# Altium PCB RockerBox_Rev01.PcbDoc (part 3 of 8)
Units mil, origin at the board's own origin, x right, y up, seen from the top; angles counter-clockwise.
Board outline 5354.33 x 8818.9 mil, 4 copper layers (L1, L2, L3, L4), stack 62.087 mil thick; 579 components, 159 nets, 3624 pads, 3252 vias.
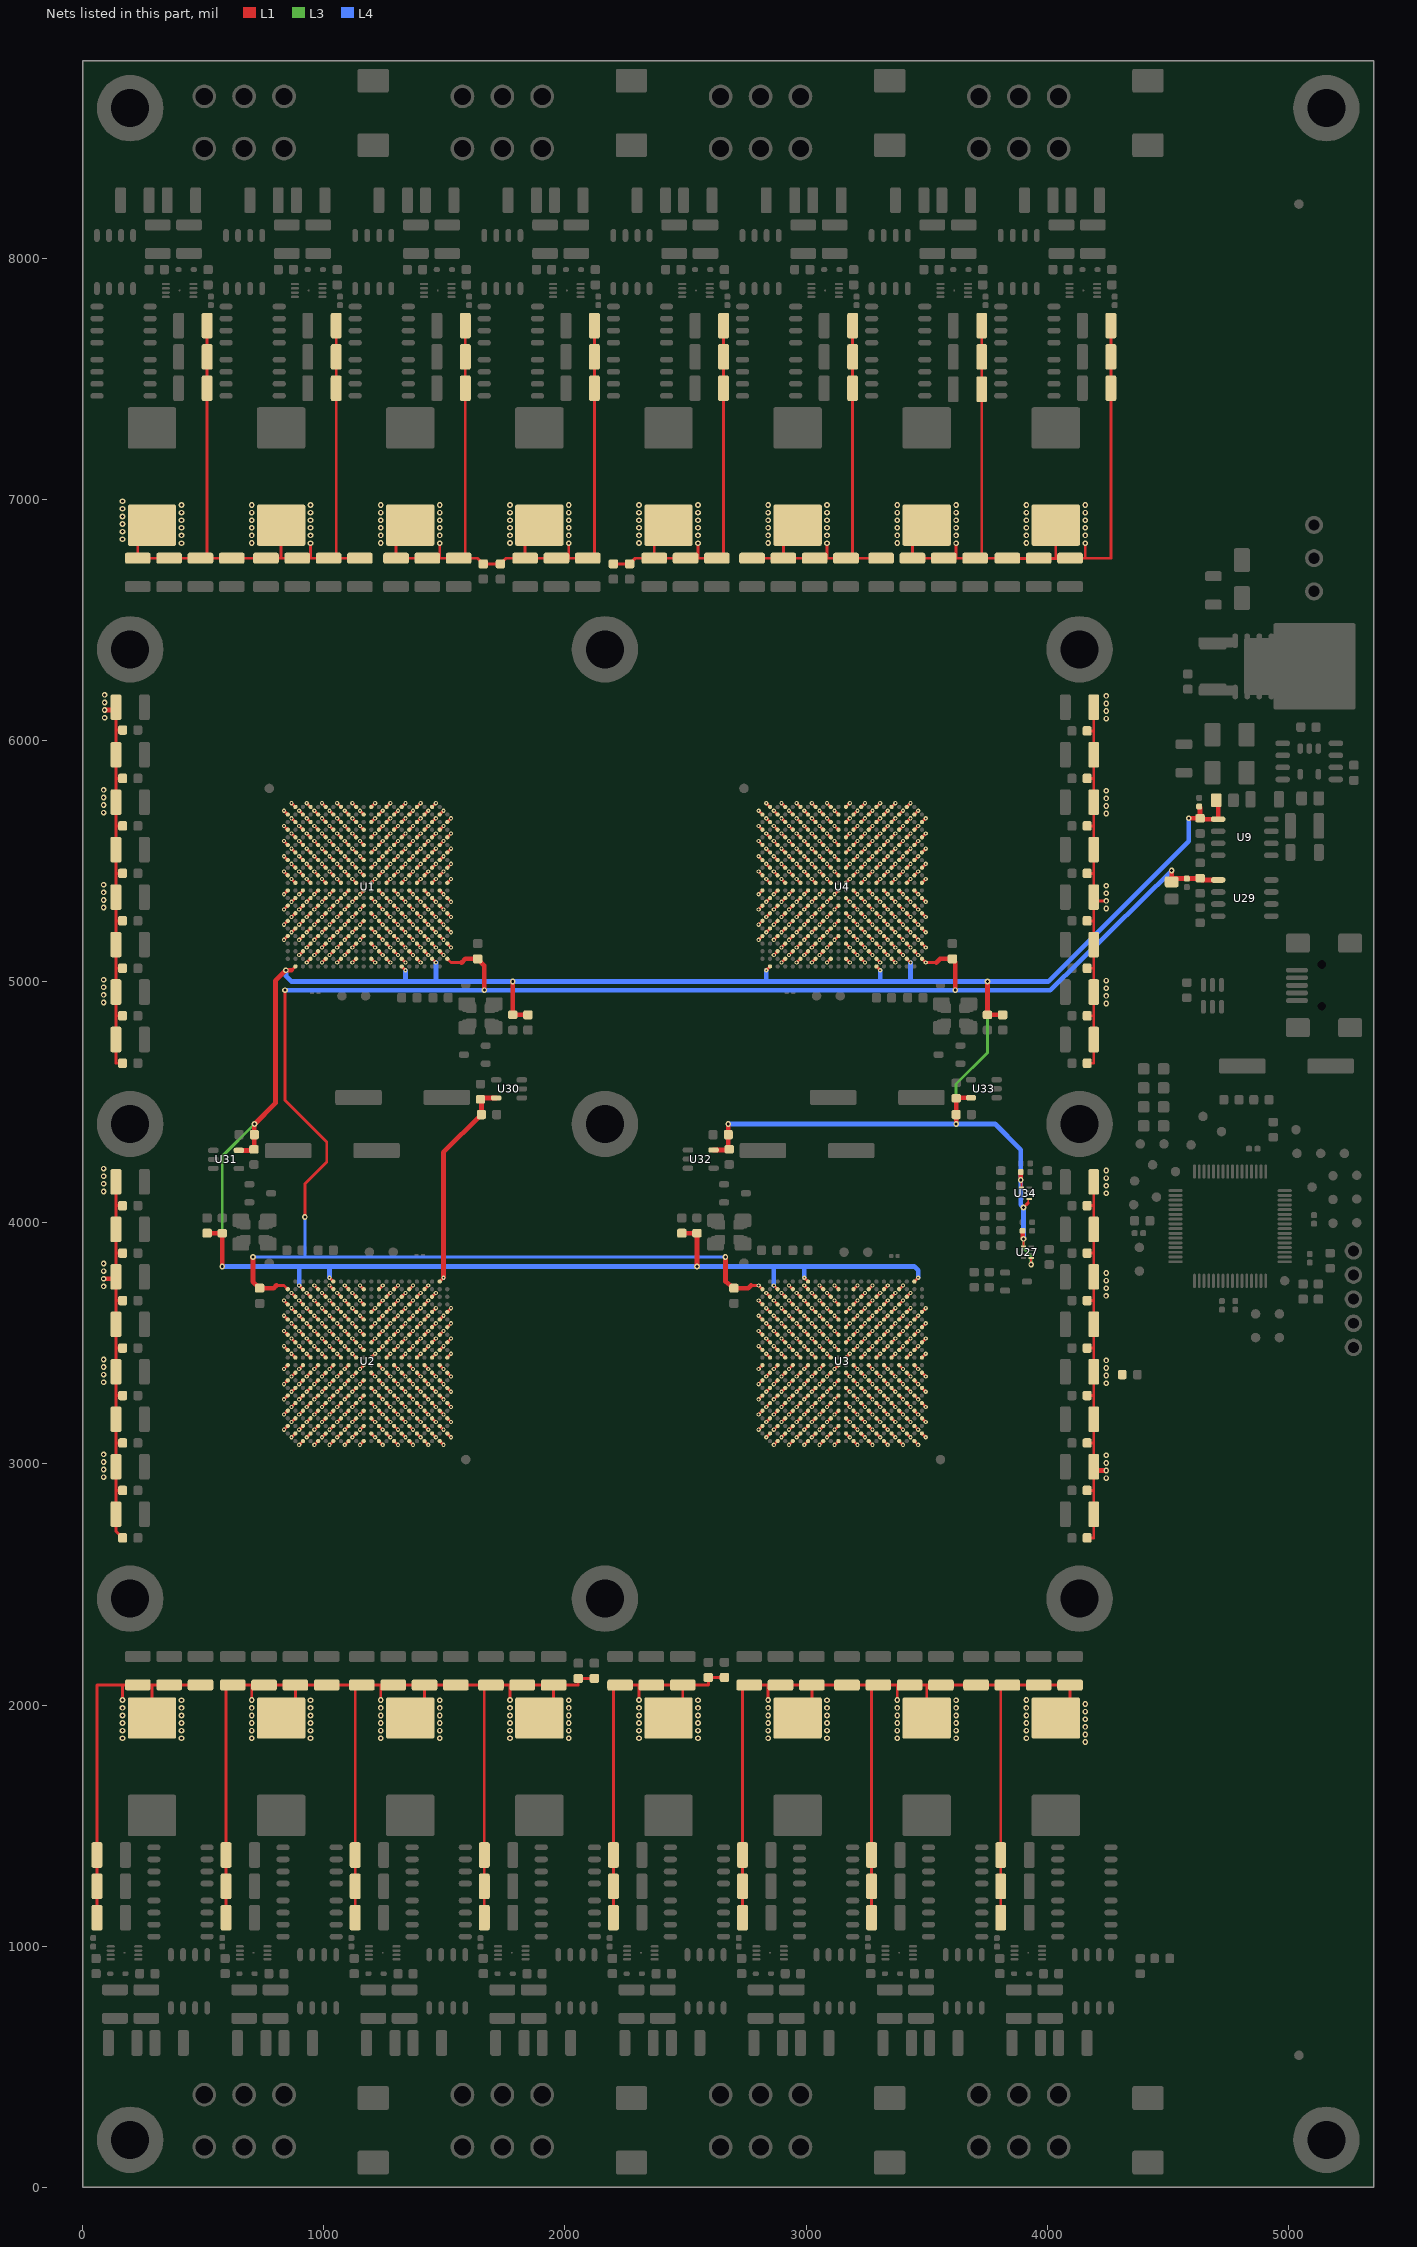
[diagram p5: the nets of this part, all layers, seen from the top]

## Via types
v1: diameter 17.72/17.72/17.72/17.72 (per signal layer), hole 7.87, L1 to L4, 1853 vias
v2: diameter 23.62/23.62/23.62/23.62 (per signal layer), hole 11.81, L1 to L4, 1399 vias

## Nets (pads, with @x,y where several pads share a name; then routed paths per layer and width w, separated by ;. In a path a pad name is that pad's centre, name@x,y a point inside that pad or via, vN(x,y) a via of type N, cw(c..) or ccw(c..) an arc to the next point about the centre after c; other vN are vias at no path point)
0.9V: C231.1 C232.1 C233.2 C234.2 C235.2 C237.2 R27.1 U1.A21 U2.A21 U3.A21 U4.A21 U29.1 | length 8408.6
  L1 w11.81: 803.15,3740.16 834.65,3740.16 U2.A21@850.39,3724.41 ; v2(838.58,4964.57) 838.58,4507.87 1011.81,4334.65 1011.81,4251.97 921.26,4161.42 v2(921.26,4023.62) ; U1.A21@1511.81,5094.49 1527.56,5078.74 1571.06,5078.74 ; 2771.65,3740.16 v1(2803.15,3740.16) U3.A21@2818.9,3724.41 ; U4.A21@3480.31,5094.49 v1(3496.06,5078.74) 3539.57,5078.74
  L1 w19.68: v2(705.92,3858.28) 705.92,3756.12 C234.2@733.68,3728.36 791.36,3728.36 803.15,3740.16 ; 1571.06,5078.74 1586.81,5094.49 C233.2@1637.8,5094.49 1665.55,5066.73 v2(1665.55,4964.57) ; v2(2665.16,3858.28) 2665.16,3756.12 C235.2@2700.79,3728.36 2759.86,3728.36 2771.65,3740.16 ; 3539.57,5078.74 3555.31,5094.49 C237.2@3606.3,5094.49 3618.11,5082.68 3618.31,5082.68 v2(3618.31,4964.57) ; v2(4515.75,5460.63) C231.1@4515.75,5413.39 4529.53,5427.17 C232.1@4578.74,5427.17 R27.1@4635.83,5427.17 ; R27.1@4633.86,5429.13 R27.1@4635.83,5427.17 ; U29.1@4708.66,5421.46 4641.54,5421.46 R27.1@4636.91,5426.08 ; R27.1@4635.83,5427.17 R27.1@4636.91,5426.08 ; R27.1@4635.83,5427.17 R27.1@4636.91,5426.08
  L4 w11.81: v2(705.92,3858.28) 921.26,3858.28 ; v2(921.26,4023.62) 921.26,3858.28 ; v2(2665.16,3858.28) 921.26,3858.28
  L4 w19.68: v2(838.58,4964.57) v2(1665.55,4964.57) v2(3618.31,4964.57) 4011.81,4964.57 v2(4515.75,5460.63)
1.8V: C16.1 C17.1 C18.2 C227.2 C228.2 C229.2 C230.2 C238.2 C239.2 C240.2 C241.2 C250.2 R16.1 R25.1 R26.1 R30.1 R31.1 R37.1 R39.1 R41.1 R43.1 U1.AA22 U1.C21 U1.G22 U2.AA22 U2.C21 U2.G22 U3.AA22 U3.C21 U3.G22 U4.AA22 U4.C21 U4.G22 U9.1 U27.1 U27.5 U30.5 U31.5 U32.5 U33.5 U34.1 U34.5 | length 14331.6
  L1 w7.87: v2(3889.76,4177.17) 3893.7,4181.1 U34.1@3893.7,4145.67 ; v2(3901.57,3933.07) 3901.77,3929.13 U27.1@3901.77,3901.57 ; 3921.26,4082.68 3921.26,4098.43 U34.5@3925.2,4098.43 ; v2(3933.07,3826.77) 3933.27,3826.77 U27.5@3933.27,3854.33
  L1 w11.81: 866.14,5047.24 U1.AA22@881.89,5062.99 ; v1(897.64,3740.16) U2.C21@913.39,3724.41 ; v1(1023.62,3771.65) U2.G22@1039.37,3755.91 ; U1.G22@1322.83,5062.99 v1(1338.58,5047.24) ; U1.C21@1448.82,5094.49 v1(1464.57,5078.74) ; U2.AA22@1480.31,3755.91 v1(1496.06,3771.65) ; v1(2834.65,5047.24) U4.AA22@2850.39,5062.99 ; v1(2866.14,3740.16) U3.C21@2881.89,3724.41 ; v1(2992.13,3771.65) U3.G22@3007.87,3755.91 ; U4.G22@3291.34,5062.99 v1(3307.09,5047.24) ; U4.C21@3417.32,5094.49 v1(3433.07,5078.74) ; U3.AA22@3448.82,3755.91 v1(3464.57,3771.65) ; v2(3901.57,4062.99) 3921.26,4082.68
  L1 w19.68: C228.2@515.75,3956.69 R26.1@578.74,3956.69 v2(578.74,3818.9) ; U31.5@647.67,4300.18 652.04,4299.21 710.22,4299.21 R39.1@710.22,4304.55 711.6,4305.94 C229.2@711.6,4365.33 711.6,4409.45 v2(712.6,4409.45) 799.21,4496.06 799.21,5003.94 v2(842.52,5047.24) 866.14,5047.24 ; v1(1496.06,3771.65) 1496.06,4291.34 C238.2@1653.54,4448.82 1653.54,4507.87 R37.1@1649.61,4511.81 1655.51,4517.72 U30.5@1714.57,4517.72 ; v2(1783.46,5000) R25.1@1783.46,4862.2 C227.2@1846.46,4862.2 ; C240.2@2484.25,3956.69 R30.1@2547.24,3956.69 v2(2547.24,3818.9) ; U32.5@2616.17,4301.18 R41.1@2677.73,4301.18 ; v2(2677.17,4409.45) C241.2@2677.17,4365.33 2677.17,4301.75 R41.1@2677.73,4301.18 ; R41.1@2681.1,4304.55 R41.1@2677.73,4301.18 ; v2(3622.05,4409.45) C239.2@3622.05,4448.82 3622.05,4507.87 3618.11,4511.81 R43.1@3622.19,4515.89 ; R43.1@3622.19,4516.61 R43.1@3622.19,4515.89 ; U33.5@3683.67,4518.24 3626.5,4518.24 3625.98,4517.72 3624.02,4517.72 R43.1@3622.19,4515.89 ; v2(3751.97,5000) R31.1@3751.97,4862.2 C230.2@3814.96,4862.2 ; v2(3889.76,4177.17) 3889.96,4181.3 C250.2@3889.96,4210.63 ; C18.2@3897.83,3966.54 3897.83,3964.7 3898.26,3964.27 3898.26,3936.38 v2(3901.57,3933.07) ; v2(4586.61,5677.17) R16.1@4633.86,5677.17 ; C17.1@4629.92,5726.38 4633.86,5722.44 R16.1@4633.86,5677.17 ; C16.1@4700.79,5751.97 4708.66,5744.09 U9.1@4708.66,5673.43 4637.6,5673.43 R16.1@4633.86,5677.17
  L3 w11.81: v2(578.74,3818.9) 578.74,4275.59 v2(712.6,4409.45) ; v2(3622.05,4409.45) 3622.05,4574.8 3751.97,4704.72 v2(3751.97,5000) ; v2(3901.57,3933.07) 3901.57,3893.7 3933.07,3862.2 v2(3933.07,3826.77)
  L4 w19.68: v2(578.74,3818.9) 897.64,3818.9 ; v2(842.52,5047.24) 842.52,5023.62 866.14,5000 1338.58,5000 ; v1(897.64,3740.16) 897.64,3818.9 ; v1(1023.62,3771.65) 1023.62,3818.9 ; v1(1338.58,5047.24) 1338.58,5000 ; v1(1464.57,5078.74) 1464.57,5000 ; v1(1496.06,3771.65) 1496.06,3818.9 ; v2(2677.17,4409.45) v2(3622.05,4409.45) 3783.46,4409.45 3889.76,4303.15 v2(3889.76,4177.17) 3889.76,4074.8 v2(3901.57,4062.99) v2(3901.57,3933.07) ; v1(2834.65,5047.24) 2834.65,5000 ; v1(2866.14,3740.16) 2866.14,3818.9 ; v1(2992.13,3771.65) 2992.13,3818.9 ; v1(3307.09,5047.24) 3307.09,5000 ; v1(3433.07,5078.74) 3433.07,5000 ; v1(3464.57,3771.65) 3464.57,3802.95 3448.62,3818.9 2992.13,3818.9 ; v2(4586.61,5677.17) 4586.61,5582.68 4003.94,5000 v2(3751.97,5000) 3433.07,5000 ; 897.64,3818.9 1023.62,3818.9 ; 1023.62,3818.9 1496.06,3818.9 ; 1338.58,5000 1464.57,5000 ; 1464.57,5000 v2(1783.46,5000) 2834.65,5000 ; 1496.06,3818.9 v2(2547.24,3818.9) 2866.14,3818.9 ; 2834.65,5000 3307.09,5000 ; 2866.14,3818.9 2992.13,3818.9 ; 3307.09,5000 3433.07,5000
1V: C19.2 C34.2 C35.2 C36.2 C39.2 C40.2 C41.2 C44.2 C45.2 C46.2 C49.2 C50.2 C51.2 C66.2 C67.2 C68.2 C71.2 C72.2 C73.2 C76.2 C77.2 C78.2 C81.2 C82.2 C83.2 C98.2 C99.2 C100.2 C103.2 C104.2 C105.2 C108.2 C109.2 C110.2 C113.2 C114.2 C115.2 C130.2 C131.2 C132.2 C135.2 C136.2 C137.2 C140.2 C141.2 C142.2 C145.2 C146.2 C147.2 C148.2 C149.2 C150.2 C151.2 C152.2 C153.2 C154.2 C155.2 C156.2 C157.2 C158.2 C159.2 C160.2 C161.2 C162.2 C163.2 C164.2 C165.2 C166.2 C167.2 C169.2 C170.2 C171.2 C172.2 C173.2 C174.2 C175.2 C176.2 C177.2 C178.2 C179.2 C180.2 C181.2 C182.2 C183.2 C184.2 C185.2 C186.2 C187.2 C188.2 C189.2 C190.2 C191.2 C192.2 C193.2 C194.2 C195.2 C196.2 C197.2 C198.2 C199.2 C200.2 C201.2 C202.2 C203.2 C204.2 C205.2 C206.2 C207.2 C208.2 C209.2 C210.2 C211.2 C212.2 C213.2 C214.2 C215.2 C216.2 C217.2 C218.2 C219.2 C220.2 C221.2 C222.2 C223.2 C224.2 C225.2 C226.2 C236.2 C350.2 C351.2 C352.2 C355.2 C356.2 C357.2 C360.2 C361.2 C362.2 C365.2 C366.2 C367.2 C370.2 C371.2 C372.2 C375.2 C376.2 C377.2 C380.2 C381.2 C382.2 C385.2 C386.2 C387.2 C388.2 C389.2 C390.2 C393.2 C394.2 C395.2 C396.2 C397.2 C398.2 C399.2 C400.2 C401.2 C408.2 C409.2 C410.2 C411.2 C412.2 C413.2 C414.2 C415.2 C416.2 C417.2 C418.2 C419.2 L1.2 L2.2 L3.2 L4.2 L5.2 L6.2 L7.2 L8.2 L9.2 L10.2 L11.2 L12.2 L13.2 L14.2 L15.2 L16.2 R6.2 U1.A3 U1.A5 U1.A7 U1.A9 U1.A11 U1.A13 U1.A15 U1.A17 U1.A19 U1.AA1 U1.AA3 U1.AA5 U1.AA7 U1.AA9 U1.AA11 U1.AA13 U1.AA15 U1.AA17 U1.AB2 U1.AB4 U1.AB6 U1.AB8 U1.AB10 U1.AB12 U1.AB14 U1.AB16 U1.AB18 U1.B2 U1.B4 U1.B6 U1.B8 U1.B10 U1.B12 U1.B14 U1.B16 U1.B18 U1.B20 U1.C1 U1.C3 U1.C5 U1.C7 U1.C9 U1.C11 U1.C13 U1.C15 U1.C17 U1.C19 U1.D2 U1.D4 U1.D6 U1.D8 U1.D10 U1.D12 U1.D14 U1.D16 U1.D18 U1.D20 U1.E1 U1.E3 U1.E5 U1.E7 U1.E9 U1.E11 U1.E13 U1.E15 U1.E17 U1.E19 U1.E21 U1.F2 U1.F4 U1.F6 U1.F8 U1.F10 U1.F12 U1.F14 U1.F16 U1.F18 U1.F20 U1.G1 U1.G3 U1.G5 U1.G7 U1.G9 U1.G11 U1.G13 U1.G15 U1.G17 U1.G19 U1.G21 U1.H2 U1.H4 U1.H6 U1.H8 U1.H10 U1.H12 U1.H14 U1.H16 U1.H18 U1.H20 U1.J1 U1.J3 U1.J5 U1.J7 U1.J9 U1.J11 U1.J13 U1.J15 U1.J17 U1.J19 U1.J21 U1.K2 U1.K4 U1.K6 U1.K8 U1.K10 U1.K12 U1.K14 U1.K16 U1.K18 U1.K20 U1.L1 U1.L3 U1.L5 U1.L7 U1.L9 U1.L11 U1.L13 U1.L15 U1.L17 U1.L19 U1.L21 U1.M2 U1.M4 U1.M6 U1.M8 U1.M10 U1.M12 U1.M14 U1.M16 U1.M18 U1.N1 U1.N3 U1.N5 U1.N7 U1.N9 U1.N11 U1.N13 U1.N15 U1.N17 U1.N19 U1.N21 U1.P2 U1.P4 U1.P6 U1.P8 U1.P10 U1.P12 U1.P14 U1.P16 U1.P18 U1.P20 U1.R1 U1.R3 U1.R5 U1.R7 U1.R9 U1.R11 U1.R13 U1.R15 U1.R17 U1.R19 U1.R21 U1.T2 U1.T4 U1.T6 U1.T8 U1.T10 U1.T12 U1.T14 U1.T16 U1.T18 U1.T20 U1.U1 U1.U3 U1.U5 U1.U7 U1.U9 U1.U11 U1.U13 U1.U15 U1.U17 U1.U19 U1.U21 U1.V2 U1.V4 U1.V6 U1.V8 U1.V10 U1.V12 U1.V14 U1.V16 U1.V18 U1.V20 U1.W1 U1.W3 U1.W5 U1.W7 U1.W9 U1.W11 U1.W13 U1.W15 U1.W17 U1.W19 U1.W21 U1.Y2 U1.Y4 U1.Y6 U1.Y8 U1.Y10 U1.Y12 U1.Y14 U1.Y16 U1.Y18 U1.Y20 U2.A3 U2.A5 U2.A7 U2.A9 U2.A11 U2.A13 U2.A15 U2.A17 U2.A19 U2.AA1 U2.AA3 U2.AA5 U2.AA7 U2.AA9 U2.AA11 U2.AA13 U2.AA15 U2.AA17 U2.AB2 U2.AB4 U2.AB6 U2.AB8 U2.AB10 U2.AB12 U2.AB14 U2.AB16 U2.AB18 U2.B2 U2.B4 U2.B6 U2.B8 U2.B10 U2.B12 U2.B14 U2.B16 U2.B18 U2.B20 U2.C1 U2.C3 U2.C5 U2.C7 U2.C9 U2.C11 U2.C13 U2.C15 U2.C17 U2.C19 U2.D2 U2.D4 U2.D6 U2.D8 U2.D10 U2.D12 U2.D14 U2.D16 U2.D18 U2.D20 U2.E1 U2.E3 U2.E5 U2.E7 U2.E9 U2.E11 U2.E13 U2.E15 U2.E17 U2.E19 U2.E21 U2.F2 U2.F4 U2.F6 U2.F8 U2.F10 U2.F12 U2.F14 U2.F16 U2.F18 U2.F20 U2.G1 U2.G3 U2.G5 U2.G7 U2.G9 U2.G11 U2.G13 U2.G15 U2.G17 U2.G19 U2.G21 U2.H2 U2.H4 U2.H6 U2.H8 U2.H10 U2.H12 U2.H14 U2.H16 U2.H18 U2.H20 U2.J1 U2.J3 U2.J5 U2.J7 U2.J9 U2.J11 U2.J13 U2.J15 U2.J17 U2.J19 U2.J21 U2.K2 U2.K4 U2.K6 U2.K8 U2.K10 U2.K12 U2.K14 U2.K16 U2.K18 U2.K20 U2.L1 U2.L3 U2.L5 U2.L7 U2.L9 U2.L11 U2.L13 U2.L15 U2.L17 U2.L19 U2.L21 U2.M2 U2.M4 U2.M6 U2.M8 U2.M10 U2.M12 U2.M14 U2.M16 U2.M18 U2.N1 U2.N3 U2.N5 U2.N7 U2.N9 U2.N11 U2.N13 U2.N15 U2.N17 U2.N19 U2.N21 U2.P2 U2.P4 U2.P6 U2.P8 U2.P10 U2.P12 U2.P14 U2.P16 U2.P18 U2.P20 U2.R1 U2.R3 U2.R5 U2.R7 U2.R9 U2.R11 U2.R13 U2.R15 U2.R17 U2.R19 U2.R21 U2.T2 U2.T4 U2.T6 U2.T8 U2.T10 U2.T12 U2.T14 U2.T16 U2.T18 U2.T20 U2.U1 U2.U3 U2.U5 U2.U7 U2.U9 U2.U11 U2.U13 U2.U15 U2.U17 U2.U19 U2.U21 U2.V2 U2.V4 U2.V6 U2.V8 U2.V10 U2.V12 U2.V14 U2.V16 U2.V18 U2.V20 U2.W1 U2.W3 U2.W5 U2.W7 U2.W9 U2.W11 U2.W13 U2.W15 U2.W17 U2.W19 U2.W21 U2.Y2 U2.Y4 U2.Y6 U2.Y8 U2.Y10 U2.Y12 U2.Y14 U2.Y16 U2.Y18 U2.Y20 U3.A3 U3.A5 U3.A7 U3.A9 U3.A11 U3.A13 U3.A15 U3.A17 U3.A19 U3.AA1 U3.AA3 U3.AA5 U3.AA7 U3.AA9 U3.AA11 U3.AA13 U3.AA15 U3.AA17 U3.AB2 U3.AB4 U3.AB6 U3.AB8 U3.AB10 U3.AB12 U3.AB14 U3.AB16 U3.AB18 U3.B2 U3.B4 U3.B6 U3.B8 U3.B10 U3.B12 U3.B14 U3.B16 U3.B18 U3.B20 U3.C1 U3.C3 U3.C5 U3.C7 U3.C9 U3.C11 U3.C13 U3.C15 U3.C17 U3.C19 U3.D2 U3.D4 U3.D6 U3.D8 U3.D10 U3.D12 U3.D14 U3.D16 U3.D18 U3.D20 U3.E1 U3.E3 U3.E5 U3.E7 U3.E9 U3.E11 U3.E13 U3.E15 U3.E17 U3.E19 U3.E21 U3.F2 U3.F4 U3.F6 U3.F8 U3.F10 U3.F12 U3.F14 U3.F16 U3.F18 U3.F20 U3.G1 U3.G3 U3.G5 U3.G7 U3.G9 U3.G11 U3.G13 U3.G15 U3.G17 U3.G19 U3.G21 U3.H2 U3.H4 U3.H6 U3.H8 U3.H10 U3.H12 U3.H14 U3.H16 U3.H18 U3.H20 U3.J1 U3.J3 U3.J5 U3.J7 U3.J9 U3.J11 U3.J13 U3.J15 U3.J17 U3.J19 U3.J21 U3.K2 U3.K4 U3.K6 U3.K8 U3.K10 U3.K12 U3.K14 U3.K16 U3.K18 U3.K20 U3.L1 U3.L3 U3.L5 U3.L7 U3.L9 U3.L11 U3.L13 U3.L15 U3.L17 U3.L19 U3.L21 U3.M2 U3.M4 U3.M6 U3.M8 U3.M10 U3.M12 U3.M14 U3.M16 U3.M18 U3.N1 U3.N3 U3.N5 U3.N7 U3.N9 U3.N11 U3.N13 U3.N15 U3.N17 U3.N19 U3.N21 U3.P2 U3.P4 U3.P6 U3.P8 U3.P10 U3.P12 U3.P14 U3.P16 U3.P18 U3.P20 U3.R1 U3.R3 U3.R5 U3.R7 U3.R9 U3.R11 U3.R13 U3.R15 U3.R17 U3.R19 U3.R21 U3.T2 U3.T4 U3.T6 U3.T8 U3.T10 U3.T12 U3.T14 U3.T16 U3.T18 U3.T20 U3.U1 U3.U3 U3.U5 U3.U7 U3.U9 U3.U11 U3.U13 U3.U15 U3.U17 U3.U19 U3.U21 U3.V2 U3.V4 U3.V6 U3.V8 U3.V10 U3.V12 U3.V14 U3.V16 U3.V18 U3.V20 U3.W1 U3.W3 U3.W5 U3.W7 U3.W9 U3.W11 U3.W13 U3.W15 U3.W17 U3.W19 U3.W21 U3.Y2 U3.Y4 U3.Y6 U3.Y8 U3.Y10 U3.Y12 U3.Y14 U3.Y16 U3.Y18 U3.Y20 U4.A3 U4.A5 U4.A7 U4.A9 U4.A11 U4.A13 U4.A15 U4.A17 U4.A19 U4.AA1 U4.AA3 U4.AA5 U4.AA7 U4.AA9 U4.AA11 U4.AA13 U4.AA15 U4.AA17 U4.AB2 U4.AB4 U4.AB6 U4.AB8 U4.AB10 U4.AB12 U4.AB14 U4.AB16 U4.AB18 U4.B2 U4.B4 U4.B6 U4.B8 U4.B10 U4.B12 U4.B14 U4.B16 U4.B18 U4.B20 U4.C1 U4.C3 U4.C5 U4.C7 U4.C9 U4.C11 U4.C13 U4.C15 U4.C17 U4.C19 U4.D2 U4.D4 U4.D6 U4.D8 U4.D10 U4.D12 U4.D14 U4.D16 U4.D18 U4.D20 U4.E1 U4.E3 U4.E5 U4.E7 U4.E9 U4.E11 U4.E13 U4.E15 U4.E17 U4.E19 U4.E21 U4.F2 U4.F4 U4.F6 U4.F8 U4.F10 U4.F12 U4.F14 U4.F16 U4.F18 U4.F20 U4.G1 U4.G3 U4.G5 U4.G7 U4.G9 U4.G11 U4.G13 U4.G15 U4.G17 U4.G19 U4.G21 U4.H2 U4.H4 U4.H6 U4.H8 U4.H10 U4.H12 U4.H14 U4.H16 U4.H18 U4.H20 U4.J1 U4.J3 U4.J5 U4.J7 U4.J9 U4.J11 U4.J13 U4.J15 U4.J17 U4.J19 U4.J21 U4.K2 U4.K4 U4.K6 U4.K8 U4.K10 U4.K12 U4.K14 U4.K16 U4.K18 U4.K20 U4.L1 U4.L3 U4.L5 U4.L7 U4.L9 U4.L11 U4.L13 U4.L15 U4.L17 U4.L19 U4.L21 U4.M2 U4.M4 U4.M6 U4.M8 U4.M10 U4.M12 U4.M14 U4.M16 U4.M18 U4.N1 U4.N3 U4.N5 U4.N7 U4.N9 U4.N11 U4.N13 U4.N15 U4.N17 U4.N19 U4.N21 U4.P2 U4.P4 U4.P6 U4.P8 U4.P10 U4.P12 U4.P14 U4.P16 U4.P18 U4.P20 U4.R1 U4.R3 U4.R5 U4.R7 U4.R9 U4.R11 U4.R13 U4.R15 U4.R17 U4.R19 U4.R21 U4.T2 U4.T4 U4.T6 U4.T8 U4.T10 U4.T12 U4.T14 U4.T16 U4.T18 U4.T20 U4.U1 U4.U3 U4.U5 U4.U7 U4.U9 U4.U11 U4.U13 U4.U15 U4.U17 U4.U19 U4.U21 U4.V2 U4.V4 U4.V6 U4.V8 U4.V10 U4.V12 U4.V14 U4.V16 U4.V18 U4.V20 U4.W1 U4.W3 U4.W5 U4.W7 U4.W9 U4.W11 U4.W13 U4.W15 U4.W17 U4.W19 U4.W21 U4.Y2 U4.Y4 U4.Y6 U4.Y8 U4.Y10 U4.Y12 U4.Y14 U4.Y16 U4.Y18 U4.Y20 | length 53753.3